# KiCad board led_mapper_850.kicad_pcb (continued)
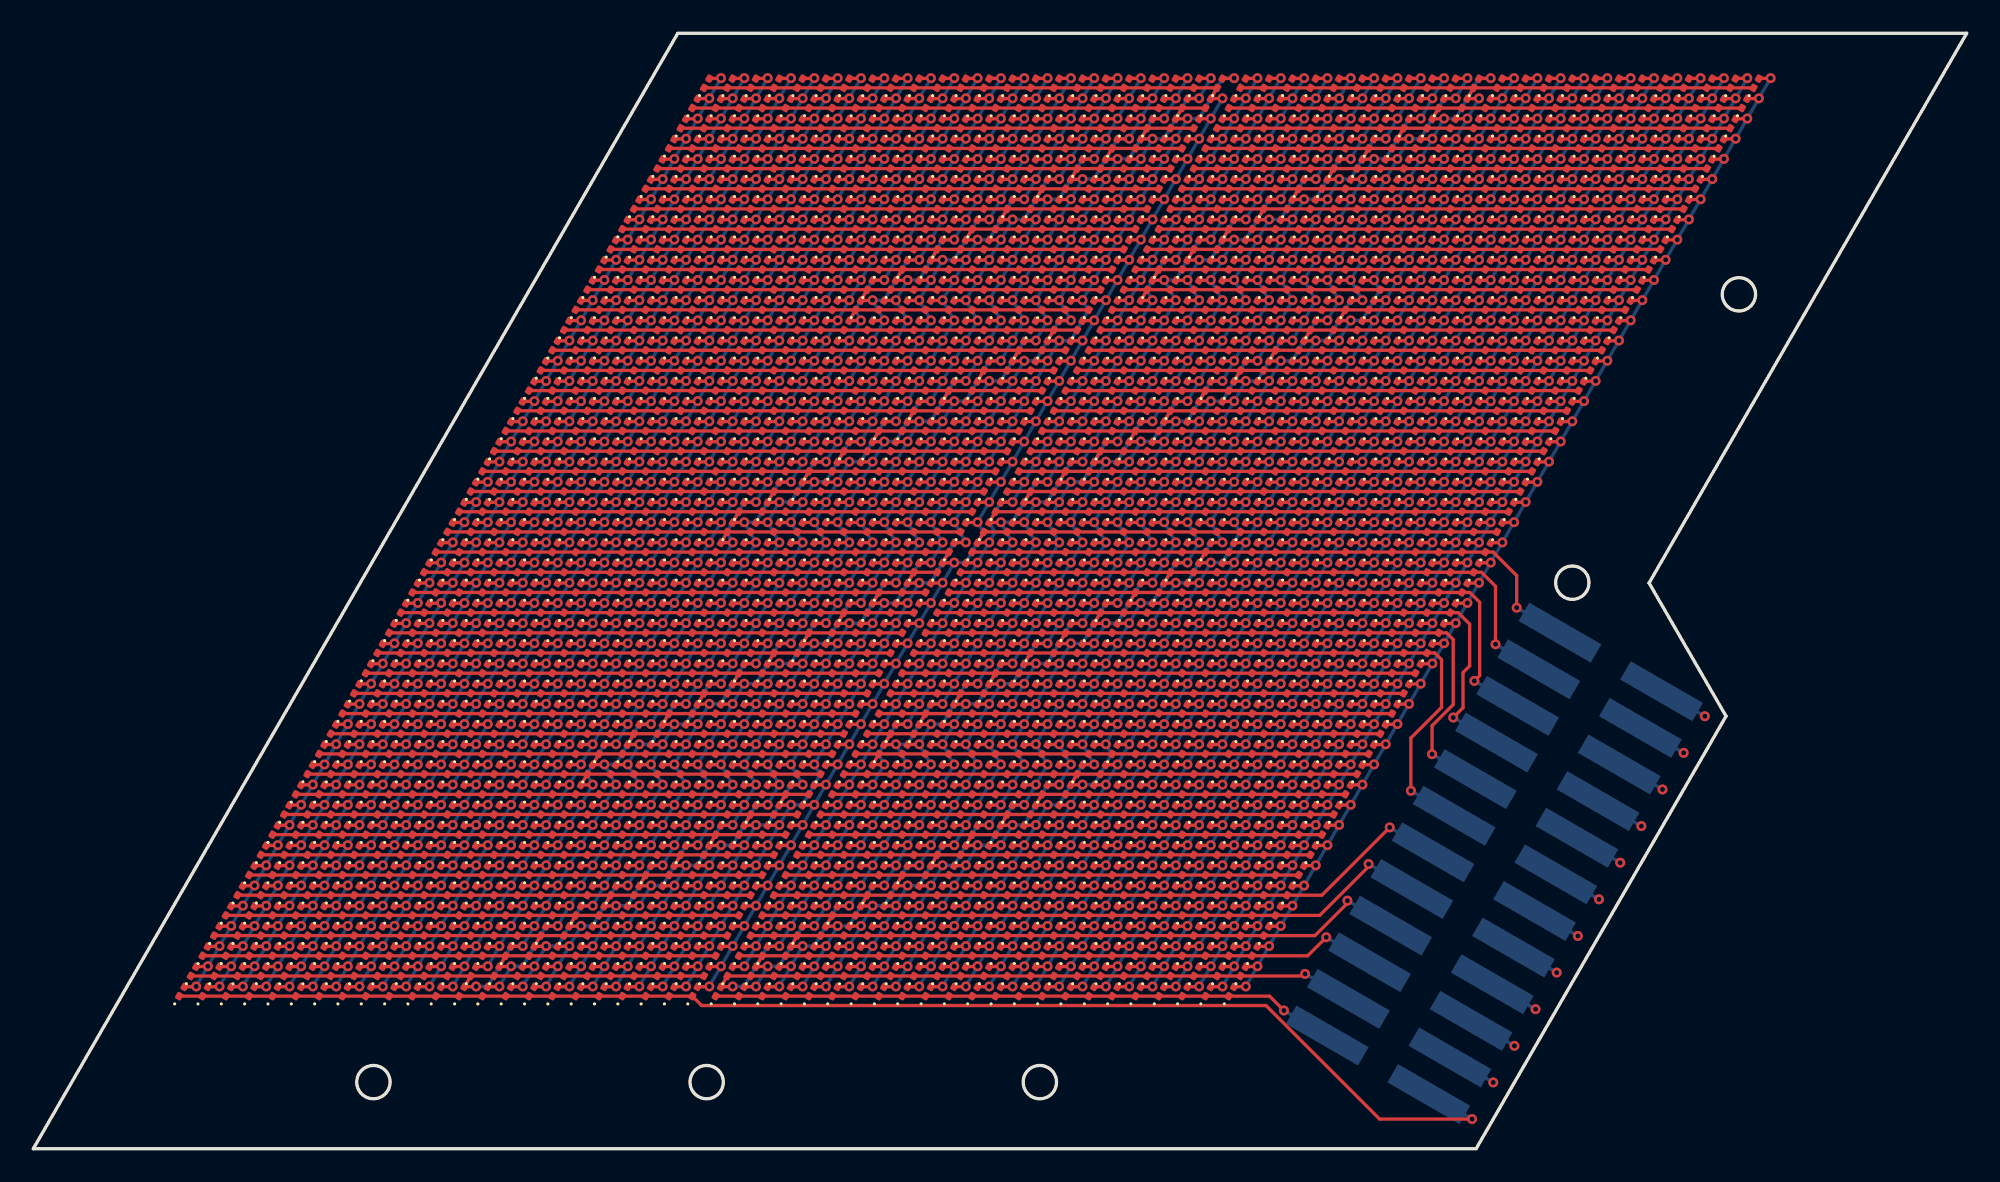
[diagram p0: board, top side]
## Routing (per net, layer and track width the routed paths; a pad name or vN(x,y) marks a point on that pad's centre or on a via; arc(x,y) is an arc through that point) (continued)
/P12: length 353.7
  Top w0.2: D1760.2 v1(27.28,13.38) ; D1622.2 v1(25.18,9.75) ; D104.2 v1(55.28,61.88) ; D426.2 v1(50.38,53.39) ; D886.2 v1(46.18,46.12) ; v1(86.78,63.09) D80.2 D34.1 ; D634.2 v1(73.48,40.06) ; D1922.2 v1(60.88,18.23) ; v1(70.68,35.21) D1138.2 D1092.1 ; D1852.2 v1(28.68,15.81) ; D702.2 v1(43.38,41.27) ; D150.2 v1(54.58,60.67) ; D264.2 v1(83.98,58.24) ; D2014.2 v1(62.28,20.66) ; D2036.2 v1(31.48,20.66) ; D772.2 v1(75.58,43.69) ; D680.2 v1(74.18,41.27) ; v1(79.08,49.76) D1002.2 D1048.1 ; D1668.2 v1(25.88,10.96) ; D196.2 v1(53.88,59.46) ; D910.2 v1(77.68,47.33) ; D218.2 v1(84.68,59.46) ; D1830.2 v1(59.48,15.81) ; D1646.2 v1(56.68,10.96) ; D1116.2 v1(39.88,35.21) ; D380.2 v1(51.08,54.61) ; D1036.1 D1058.1 ; D1322.2 v1(67.88,30.36) ; D288.2 v1(52.48,57.03) ; D748.2 v1(44.08,42.48) ; D1208.2 v1(38.48,32.78) ; D1898.2 v1(29.38,17.02) ; D588.2 v1(72.78,38.84) ; D542.2 v1(72.08,37.63) ; D1484.2 v1(34.28,25.51) ; D1460.2 v1(65.78,26.72) ; D794.2 v1(44.78,43.69) ; D24.1 D46.1 ; D726.2 v1(74.88,42.48) ; D518.2 v1(48.98,50.97) ; D448.2 v1(81.18,53.39) ; D864.2 v1(76.98,46.12) ; D1300.2 v1(37.08,30.36) ; v1(62.98,21.87) D2060.2 D2106.1 ; D1600.2 v1(55.98,9.75) ; D1230.2 v1(69.28,32.78) ; D2094.1 D2116.1 ; D1944.2 v1(30.08,18.23) ; D1506.2 v1(65.08,25.51) ; D126.2 v1(86.08,61.88) ; D12.2 v1(56.68,64.31) ; D1392.2 v1(35.68,27.93) ; D334.2 v1(51.78,55.82) ; D1368.2 v1(67.18,29.15) ; D1806.2 v1(27.98,14.6) ; D1346.2 v1(36.38,29.15) ; D932.2 v1(46.88,47.33) ; D818.2 v1(76.28,44.91) ; D610.2 v1(41.98,38.84) ; D1552.2 v1(64.38,24.3) ; v1(89.04,32.5) 89.04,34.43 87.62,35.84 D1104.1 D1082.1 ; D656.2 v1(42.68,40.06) ; D1414.2 v1(66.48,27.93) ; D494.2 v1(80.48,52.18) ; D58.2 v1(55.98,63.09) ; D402.2 v1(81.88,54.61) ; D956.2 v1(78.38,48.54) ; D1784.2 v1(58.78,14.6) ; D1990.2 v1(30.78,19.45) ; D310.2 v1(83.28,57.03) ; D1714.2 v1(26.58,12.17) ; D1162.2 v1(39.18,33.99) ; D1692.2 v1(57.38,12.17) ; D1876.2 v1(60.18,17.02) ; D172.2 v1(85.38,60.67) ; D1070.2 v1(40.58,36.42) ; D472.2 v1(49.68,52.18) ; D1576.2 v1(32.88,23.08) ; D1276.2 v1(68.58,31.57) ; D978.2 v1(47.58,48.54) ; D1530.2 v1(33.58,24.3) ; D1738.2 v1(58.08,13.38) ; D840.2 v1(45.48,44.91) ; D242.2 v1(53.18,58.24) ; D564.2 v1(41.28,37.63) ; D1968.2 v1(61.58,19.45) ; D1254.2 v1(37.78,31.57) ; D1184.2 v1(69.98,33.99) ; D1024.2 v1(48.28,49.76) ; D356.2 v1(82.58,55.82) ; D1438.2 v1(34.98,26.72) ; D2082.2 v1(32.18,21.87)
  In2.Cu w0.2: v1(78.38,48.54) 78.03,49.15 47.93,49.15 v1(47.58,48.54)
  Bottom w0.2: J1.12 v1(89.04,32.5) ; v1(55.98,9.75) v1(62.98,21.87) 63.68,21.87 64.73,23.69 v1(64.38,24.3) v1(70.68,35.21) 71.38,35.21 72.43,37.03 v1(72.08,37.63) v1(79.08,49.76) 79.78,49.76 80.83,51.58 v1(80.48,52.18) v1(86.78,63.09) ; v1(56.68,64.31) v1(25.18,9.75)
/P13: length 431
  Top w0.2: D839.2 v1(46.88,44.91) ; D81.2 v1(88.18,63.09) ; D1047.2 v1(81.18,50.97) ; D151.2 v1(55.98,60.67) ; D1093.2 v1(72.78,36.42) ; D793.2 v1(46.18,43.69) ; D817.2 v1(77.68,44.91) ; D219.2 v1(86.08,59.46) ; D1565.1 D1587.1 ; v1(86.36,1.78) 80.81,1.78 73.99,8.6 40.12,8.6 D1611.1 D1633.1 ; D507.1 D529.1 ; D1323.2 v1(69.28,30.36) ; D1277.2 v1(69.98,31.57) ; D679.2 v1(75.58,41.27) ; D1599.2 v1(57.38,9.75) ; D771.2 v1(76.98,43.69) ; D449.2 v1(82.58,53.39) ; D1209.2 v1(39.88,32.78) ; D1255.2 v1(39.18,31.57) ; D13.2 v1(58.08,64.31) ; D1231.2 v1(70.68,32.78) ; D289.2 v1(53.88,57.03) ; D427.2 v1(51.78,53.39) ; D35.2 v1(88.88,64.31) ; D1415.2 v1(67.88,27.93) ; D1805.2 v1(29.38,14.6) ; D473.2 v1(51.08,52.18) ; v1(41.98,36.42) D1071.2 D563.1 ; D105.2 v1(56.68,61.88) ; D495.2 v1(81.88,52.18) ; D127.2 v1(87.48,61.88) ; D519.1 D1023.2 v1(49.68,49.76) ; D1369.2 v1(68.58,29.15) ; D885.2 v1(47.58,46.12) ; D1185.2 v1(71.38,33.99) ; D955.2 v1(79.78,48.54) ; D725.2 v1(76.28,42.48) ; D2035.2 v1(32.88,20.66) ; D1001.2 v1(80.48,49.76) ; D2105.2 v1(65.08,23.08) ; D2059.2 v1(64.38,21.87) ; v1(33.58,21.87) D2081.2 D1577.1 ; D1667.2 v1(27.28,10.96) ; D311.2 v1(84.68,57.03) ; D1943.2 v1(31.48,18.23) ; D265.2 v1(85.38,58.24) ; D1531.2 v1(34.98,24.3) ; D655.2 v1(44.08,40.06) ; D1645.2 v1(58.08,10.96) ; D1301.2 v1(38.48,30.36) ; D357.2 v1(83.98,55.82) ; D1461.2 v1(67.18,26.72) ; D1139.2 v1(72.08,35.21) ; D541.2 v1(73.48,37.63) ; D609.2 v1(43.38,38.84) ; D2013.2 v1(63.68,20.66) ; D335.2 v1(53.18,55.82) ; D553.1 D575.1 ; D1553.2 v1(65.78,24.3) ; D1967.2 v1(62.98,19.45) ; D701.2 v1(44.78,41.27) ; D1829.2 v1(60.88,15.81) ; D587.2 v1(74.18,38.84) ; D1691.2 v1(58.78,12.17) ; D1851.2 v1(30.08,15.81) ; D1875.2 v1(61.58,17.02) ; D1783.2 v1(60.18,14.6) ; D1989.2 v1(32.18,19.45) ; D59.2 v1(57.38,63.09) ; D1921.2 v1(62.28,18.23) ; D173.2 v1(86.78,60.67) ; D1897.2 v1(30.78,17.02) ; D909.2 v1(79.08,47.33) ; D381.2 v1(52.48,54.61) ; D633.2 v1(74.88,40.06) ; D1759.2 v1(28.68,13.38) ; D1163.2 v1(40.58,33.99) ; D1737.2 v1(59.48,13.38) ; D403.2 v1(83.28,54.61) ; D1713.2 v1(27.98,12.17) ; D243.2 v1(54.58,58.24) ; D1347.2 v1(37.78,29.15) ; D977.2 v1(48.98,48.54) ; D1507.2 v1(66.48,25.51) ; D863.2 v1(78.38,46.12) ; D1393.2 v1(37.08,27.93) ; D197.2 v1(55.28,59.46) ; D1117.2 v1(41.28,35.21) ; D747.2 v1(45.48,42.48) ; D1439.2 v1(36.38,26.72) ; D1485.2 v1(35.68,25.51) ; D931.2 v1(48.28,47.33)
  In2.Cu w0.2: v1(80.48,49.76) 80.13,50.36 50.03,50.36 v1(49.68,49.76) ; v1(65.78,24.3) 65.43,23.69 73.83,9.14 74.43,7.2 v1(86.36,1.78)
  Bottom w0.2: v1(88.88,64.31) v1(57.38,9.75) ; v1(27.28,10.96) v1(33.58,21.87) 33.23,22.48 34.28,24.3 v1(34.98,24.3) v1(41.98,36.42) 41.63,37.03 42.68,38.84 v1(43.38,38.84) v1(49.68,49.76) 49.33,50.36 50.38,52.18 v1(51.08,52.18) v1(58.08,64.31) ; J1.13 v1(86.36,1.78)
/P14: length 386.3
  Top w0.2: D1462.2 v1(68.58,26.72) ; D1667.1 D1621.2 v1(26.58,9.75) ; D1278.2 v1(71.38,31.57) ; D1712.2 v1(29.38,12.17) ; D266.2 v1(86.78,58.24) ; D450.2 v1(83.98,53.39) ; v1(42.68,37.63) D563.2 D609.1 ; D1370.2 v1(69.98,29.15) ; D1942.2 v1(32.88,18.23) ; D1416.2 v1(69.28,27.93) ; D1644.2 v1(59.48,10.96) ; D1000.2 v1(81.88,49.76) ; D60.2 v1(58.78,63.09) ; D1348.2 v1(39.18,29.15) ; D1966.2 v1(64.38,19.45) ; D1022.2 v1(51.08,49.76) ; D724.2 v1(77.68,42.48) ; D382.2 v1(53.88,54.61) ; D1186.2 v1(72.78,33.99) ; D1598.2 v1(58.78,9.75) ; D678.2 v1(76.98,41.27) ; D1232.2 v1(72.08,32.78) ; D1440.2 v1(37.78,26.72) ; D1210.2 v1(41.28,32.78) ; D1140.2 v1(73.48,35.21) ; D1554.2 v1(67.18,24.3) ; D792.2 v1(47.58,43.69) ; D336.2 v1(54.58,55.82) ; D1736.2 v1(60.88,13.38) ; D2034.2 v1(34.28,20.66) ; D106.2 v1(58.08,61.88) ; D496.2 v1(83.28,52.18) ; D461.1 D483.1 ; D128.2 v1(88.88,61.88) ; D82.2 v1(89.58,63.09) ; D1118.2 v1(42.68,35.21) ; D599.1 D621.1 ; D838.2 v1(48.28,44.91) ; D473.1 D519.2 v1(50.38,50.97) ; D152.2 v1(57.38,60.67) ; D700.2 v1(46.18,41.27) ; D1302.2 v1(39.88,30.36) ; D1046.2 v1(82.58,50.97) ; D1394.2 v1(38.48,27.93) ; D36.2 v1(90.28,64.31) ; D632.2 v1(76.28,40.06) ; D862.2 v1(79.78,46.12) ; D2058.2 v1(65.78,21.87) ; D1486.2 v1(37.08,25.51) ; D1508.2 v1(67.88,25.51) ; D586.2 v1(75.58,38.84) ; D1531.1 D1577.2 v1(34.28,23.08) ; D2104.2 v1(66.48,23.08) ; D290.2 v1(55.28,57.03) ; D244.2 v1(55.98,58.24) ; D1804.2 v1(30.78,14.6) ; D1850.2 v1(31.48,15.81) ; D1874.2 v1(62.98,17.02) ; D1519.1 D1541.1 ; D1782.2 v1(61.58,14.6) ; D1896.2 v1(32.18,17.02) ; D1094.2 v1(74.18,36.42) ; D428.2 v1(53.18,53.39) ; D540.2 v1(74.88,37.63) ; D1072.2 v1(43.38,36.42) ; D220.2 v1(87.48,59.46) ; D174.2 v1(88.18,60.67) ; D198.2 v1(56.68,59.46) ; D358.2 v1(85.38,55.82) ; D908.2 v1(80.48,47.33) ; D1828.2 v1(62.28,15.81) ; D2080.2 v1(34.98,21.87) ; D930.2 v1(49.68,47.33) ; D884.2 v1(48.98,46.12) ; D976.2 v1(50.38,48.54) ; D1920.2 v1(63.68,18.23) ; D1988.2 v1(33.58,19.45) ; D2012.2 v1(65.08,20.66) ; D1758.2 v1(30.08,13.38) ; D312.2 v1(86.08,57.03) ; D746.2 v1(46.88,42.48) ; D1324.2 v1(70.68,30.36) ; D1164.2 v1(41.98,33.99) ; D14.2 v1(59.48,64.31) ; D770.2 v1(78.38,43.69) ; D1657.1 D1679.1 ; D1690.2 v1(60.18,12.17) ; D654.2 v1(45.48,40.06) ; D404.2 v1(84.68,54.61) ; D816.2 v1(79.08,44.91) ; D954.2 v1(81.18,48.54) ; D1256.2 v1(40.58,31.57)
  In2.Cu w0.2: v1(87.63,3.98) 75.7,9.4 74.53,10.35 66.83,23.69 v1(67.18,24.3) ; v1(82.58,50.97) 82.23,51.58 50.73,51.58 v1(50.38,50.97)
  Bottom w0.2: v1(59.48,64.31) v1(53.18,53.39) 52.48,53.39 51.08,50.97 v1(50.38,50.97) v1(51.08,49.76) v1(45.48,40.06) 44.78,40.06 43.38,37.63 v1(42.68,37.63) v1(43.38,36.42) v1(37.08,25.51) 36.38,25.51 34.98,23.08 v1(34.28,23.08) v1(34.98,21.87) v1(29.38,12.17) 28.68,12.17 27.28,9.75 v1(26.58,9.75) ; v1(90.28,64.31) v1(58.78,9.75) ; J1.14 v1(87.63,3.98)
/P15: length 385.1
  Top w0.2: D1620.2 v1(27.98,9.75) ; D359.2 v1(86.78,55.82) ; D1417.2 v1(70.68,27.93) ; D631.2 v1(77.68,40.06) ; D907.2 v1(81.88,47.33) ; D313.2 v1(87.48,57.03) ; D1165.2 v1(43.38,33.99) ; D1597.2 v1(60.18,9.75) ; D1941.2 v1(34.28,18.23) ; D1473.1 D1495.1 ; D497.2 v1(84.68,52.18) ; D645.1 D667.1 ; D791.2 v1(48.98,43.69) ; D929.2 v1(51.08,47.33) ; D245.2 v1(57.38,58.24) ; D107.2 v1(59.48,61.88) ; D1965.2 v1(65.78,19.45) ; D1119.2 v1(44.08,35.21) ; D861.2 v1(81.18,46.12) ; D699.2 v1(47.58,41.27) ; D999.2 v1(83.28,49.76) ; D1555.2 v1(68.58,24.3) ; D1095.2 v1(75.58,36.42) ; D1325.2 v1(72.08,30.36) ; D745.2 v1(48.28,42.48) ; D837.2 v1(49.68,44.91) ; D1257.2 v1(41.98,31.57) ; D1703.1 D1725.1 ; D2011.2 v1(66.48,20.66) ; D1371.2 v1(71.38,29.15) ; D654.1 D608.2 v1(44.78,38.84) ; D1279.2 v1(72.78,31.57) ; D1919.2 v1(65.08,18.23) ; D1757.2 v1(31.48,13.38) ; D1211.2 v1(42.68,32.78) ; v1(36.38,24.3) D1532.2 D1486.1 ; D1643.2 v1(60.88,10.96) ; D221.2 v1(88.88,59.46) ; D562.2 v1(44.08,37.63) ; D1141.2 v1(74.88,35.21) ; D428.1 D474.2 v1(52.48,52.18) ; D199.2 v1(58.08,59.46) ; D723.2 v1(79.08,42.48) ; D953.2 v1(82.58,48.54) ; D2057.2 v1(67.18,21.87) ; D1045.2 v1(83.98,50.97) ; D1073.2 v1(44.78,36.42) ; D337.2 v1(55.98,55.82) ; D1349.2 v1(40.58,29.15) ; D2079.2 v1(36.38,21.87) ; D1021.2 v1(52.48,49.76) ; D1689.2 v1(61.58,12.17) ; D1441.2 v1(39.18,26.72) ; D585.2 v1(76.98,38.84) ; D1849.2 v1(32.88,15.81) ; D1827.2 v1(63.68,15.81) ; D677.2 v1(78.38,41.27) ; D520.2 v1(51.78,50.97) ; D1463.2 v1(69.98,26.72) ; D1509.2 v1(69.28,25.51) ; D405.2 v1(86.08,54.61) ; D769.2 v1(79.78,43.69) ; D1873.2 v1(64.38,17.02) ; D61.2 v1(60.18,63.09) ; D83.2 v1(90.98,63.09) ; D1803.2 v1(32.18,14.6) ; D2033.2 v1(35.68,20.66) ; D1987.2 v1(34.98,19.45) ; D1233.2 v1(73.48,32.78) ; D1187.2 v1(74.18,33.99) ; D37.2 v1(91.68,64.31) ; D975.2 v1(51.78,48.54) ; D383.2 v1(55.28,54.61) ; D451.2 v1(85.38,53.39) ; D175.2 v1(89.58,60.67) ; v1(28.68,10.96) D1666.2 D1712.1 ; D539.2 v1(76.28,37.63) ; D2103.2 v1(67.88,23.08) ; D1895.2 v1(33.58,17.02) ; D1781.2 v1(62.98,14.6) ; D15.2 v1(60.88,64.31) ; D291.2 v1(56.68,57.03) ; D1303.2 v1(41.28,30.36) ; D1395.2 v1(39.88,27.93) ; D267.2 v1(88.18,58.24) ; D1735.2 v1(62.28,13.38) ; D883.2 v1(50.38,46.12) ; D415.1 D437.1 ; D1578.2 v1(35.68,23.08) ; D153.2 v1(58.78,60.67) ; D815.2 v1(80.48,44.91) ; D129.2 v1(90.28,61.88)
  In2.Cu w0.2: v1(88.9,6.18) 76.97,11.6 75.23,11.56 68.23,23.69 v1(68.58,24.3) ; v1(52.48,52.18) 52.83,52.79 84.33,52.79 v1(84.68,52.18)
  Bottom w0.2: v1(91.68,64.31) v1(60.18,9.75) ; J1.15 v1(88.9,6.18) ; v1(27.98,9.75) v1(28.68,10.96) 29.38,10.96 30.78,13.38 v1(31.48,13.38) v1(36.38,21.87) v1(35.68,23.08) v1(36.38,24.3) 37.08,24.3 38.48,26.72 v1(39.18,26.72) v1(44.78,36.42) v1(44.08,37.63) v1(44.78,38.84) 45.48,38.84 46.88,41.27 v1(47.58,41.27) v1(52.48,49.76) v1(51.78,50.97) v1(52.48,52.18) 53.18,52.18 54.58,54.61 v1(55.28,54.61) v1(60.88,64.31)
/P16: length 382.9
  Top w0.2: D1044.2 v1(85.38,50.97) ; D561.2 v1(45.48,37.63) ; v1(38.48,25.51) D1487.2 D1441.1 ; D1596.2 v1(61.58,9.75) ; D2010.2 v1(67.88,20.66) ; D2032.2 v1(37.08,20.66) ; v1(46.88,40.06) D653.2 D699.1 ; D630.2 v1(79.08,40.06) ; D1780.2 v1(64.38,14.6) ; D406.2 v1(87.48,54.61) ; D1848.2 v1(34.28,15.81) ; D1688.2 v1(62.98,12.17) ; D2056.2 v1(68.58,21.87) ; D200.2 v1(59.48,59.46) ; D1418.2 v1(72.08,27.93) ; D1757.1 D1711.2 v1(30.78,12.17) ; D1802.2 v1(33.58,14.6) ; D882.2 v1(51.78,46.12) ; D974.2 v1(53.18,48.54) ; D1212.2 v1(44.08,32.78) ; D1665.2 v1(30.08,10.96) ; D1166.2 v1(44.78,33.99) ; D1872.2 v1(65.78,17.02) ; D452.2 v1(86.78,53.39) ; D292.2 v1(58.08,57.03) ; D2102.2 v1(69.28,23.08) ; D338.2 v1(57.38,55.82) ; D176.2 v1(90.98,60.67) ; v1(54.58,53.39) D429.2 D383.1 ; D1396.2 v1(41.28,27.93) ; D836.2 v1(51.08,44.91) ; D1304.2 v1(42.68,30.36) ; D1188.2 v1(75.58,33.99) ; D722.2 v1(80.48,42.48) ; D768.2 v1(81.18,43.69) ; D498.2 v1(86.08,52.18) ; D1619.2 v1(29.38,9.75) ; D1258.2 v1(43.38,31.57) ; D1280.2 v1(74.18,31.57) ; D860.2 v1(82.58,46.12) ; D1142.2 v1(76.28,35.21) ; D1894.2 v1(34.98,17.02) ; D952.2 v1(83.98,48.54) ; D1940.2 v1(35.68,18.23) ; D1372.2 v1(72.78,29.15) ; D360.2 v1(88.18,55.82) ; D475.2 v1(53.88,52.18) ; D1642.2 v1(62.28,10.96) ; D790.2 v1(50.38,43.69) ; D1427.1 D1449.1 ; D108.2 v1(60.88,61.88) ; D1350.2 v1(41.98,29.15) ; D222.2 v1(90.28,59.46) ; D814.2 v1(81.88,44.91) ; D1826.2 v1(65.08,15.81) ; D1326.2 v1(73.48,30.36) ; D246.2 v1(58.78,58.24) ; D998.2 v1(84.68,49.76) ; D130.2 v1(91.68,61.88) ; D1556.2 v1(69.98,24.3) ; D1579.2 v1(37.08,23.08) ; D84.2 v1(92.38,63.09) ; D538.2 v1(77.68,37.63) ; D1734.2 v1(63.68,13.38) ; D1074.2 v1(46.18,36.42) ; D369.1 D391.1 ; D1120.2 v1(45.48,35.21) ; D584.2 v1(78.38,38.84) ; D691.1 D713.1 ; D38.2 v1(93.08,64.31) ; D62.2 v1(61.58,63.09) ; D314.2 v1(88.88,57.03) ; D1533.2 v1(37.78,24.3) ; D1020.2 v1(53.88,49.76) ; D676.2 v1(79.78,41.27) ; D16.2 v1(62.28,64.31) ; D521.2 v1(53.18,50.97) ; D1510.2 v1(70.68,25.51) ; D607.2 v1(46.18,38.84) ; D906.2 v1(83.28,47.33) ; D928.2 v1(52.48,47.33) ; D268.2 v1(89.58,58.24) ; D1964.2 v1(67.18,19.45) ; D1464.2 v1(71.38,26.72) ; D1234.2 v1(74.88,32.78) ; D1986.2 v1(36.38,19.45) ; D2078.2 v1(37.78,21.87) ; D1918.2 v1(66.48,18.23) ; D1096.2 v1(76.98,36.42) ; D154.2 v1(60.18,60.67) ; D1749.1 D1771.1 ; D744.2 v1(49.68,42.48)
  In2.Cu w0.2: v1(86.78,53.39) 86.43,54 54.93,54 v1(54.58,53.39) ; v1(69.98,24.3) 70.68,24.3 76.63,13.99 78.24,13.8 v1(90.17,8.38)
  Bottom w0.2: v1(93.08,64.31) v1(61.58,9.75) ; v1(29.38,9.75) v1(30.78,12.17) 31.48,12.17 32.88,14.6 v1(33.58,14.6) v1(37.78,21.87) v1(37.08,23.08) v1(38.48,25.51) 39.18,25.51 40.58,27.93 v1(41.28,27.93) v1(46.18,36.42) v1(45.48,37.63) v1(46.88,40.06) 47.58,40.06 48.98,42.48 v1(49.68,42.48) v1(53.88,49.76) v1(53.18,50.97) v1(54.58,53.39) 55.28,53.39 56.68,55.82 v1(57.38,55.82) v1(62.28,64.31) ; J1.16 v1(90.17,8.38)
/P17: length 381.4
  Top w0.2: D1802.1 D1756.2 v1(32.88,13.38) ; D1985.2 v1(37.78,19.45) ; D721.2 v1(81.88,42.48) ; D813.2 v1(83.28,44.91) ; D927.2 v1(53.88,47.33) ; D606.2 v1(47.58,38.84) ; D1534.2 v1(39.18,24.3) ; D1795.1 D1817.1 ; D1419.2 v1(73.48,27.93) ; D1351.2 v1(43.38,29.15) ; D2077.2 v1(39.18,21.87) ; D905.2 v1(84.68,47.33) ; D560.2 v1(46.88,37.63) ; D973.2 v1(54.58,48.54) ; D675.2 v1(81.18,41.27) ; D1327.2 v1(74.88,30.36) ; D201.2 v1(60.88,59.46) ; D1641.2 v1(63.68,10.96) ; D63.2 v1(62.98,63.09) ; D293.2 v1(59.48,57.03) ; D407.2 v1(88.88,54.61) ; D1871.2 v1(67.18,17.02) ; D1259.2 v1(44.78,31.57) ; D323.1 D345.1 ; D85.2 v1(93.78,63.09) ; D476.2 v1(55.28,52.18) ; D131.2 v1(93.08,61.88) ; D1779.2 v1(65.78,14.6) ; v1(56.68,54.61) D384.2 D338.1 ; D1595.2 v1(62.98,9.75) ; D2031.2 v1(38.48,20.66) ; D789.2 v1(51.78,43.69) ; D1687.2 v1(64.38,12.17) ; D1488.2 v1(39.88,25.51) ; D1213.2 v1(45.48,32.78) ; D1281.2 v1(75.58,31.57) ; D1664.2 v1(31.48,10.96) ; D177.2 v1(92.38,60.67) ; D2055.2 v1(69.98,21.87) ; D1121.2 v1(46.88,35.21) ; D1019.2 v1(55.28,49.76) ; D1396.1 D1442.2 v1(40.58,26.72) ; D1043.2 v1(86.78,50.97) ; D269.2 v1(90.98,58.24) ; D1847.2 v1(35.68,15.81) ; D737.1 D759.1 ; D1189.2 v1(76.98,33.99) ; D247.2 v1(60.18,58.24) ; D1167.2 v1(46.18,33.99) ; D1710.2 v1(32.18,12.17) ; D1963.2 v1(68.58,19.45) ; D155.2 v1(61.58,60.67) ; D223.2 v1(91.68,59.46) ; D1917.2 v1(67.88,18.23) ; D1511.2 v1(72.08,25.51) ; D1097.2 v1(78.38,36.42) ; D1580.2 v1(38.48,23.08) ; D537.2 v1(79.08,37.63) ; D1618.2 v1(30.78,9.75) ; D951.2 v1(85.38,48.54) ; D1893.2 v1(36.38,17.02) ; D2009.2 v1(69.28,20.66) ; D499.2 v1(87.48,52.18) ; D1465.2 v1(72.78,26.72) ; D315.2 v1(90.28,57.03) ; D629.2 v1(80.48,40.06) ; D453.2 v1(88.18,53.39) ; D430.2 v1(55.98,53.39) ; D522.2 v1(54.58,50.97) ; D1143.2 v1(77.68,35.21) ; D1939.2 v1(37.08,18.23) ; D1235.2 v1(76.28,32.78) ; D1557.2 v1(71.38,24.3) ; D109.2 v1(62.28,61.88) ; D361.2 v1(89.58,55.82) ; v1(48.98,41.27) D698.2 D744.1 ; D1305.2 v1(44.08,30.36) ; D1733.2 v1(65.08,13.38) ; D39.2 v1(94.48,64.31) ; D1373.2 v1(74.18,29.15) ; D997.2 v1(86.08,49.76) ; D17.2 v1(63.68,64.31) ; D2101.2 v1(70.68,23.08) ; D1075.2 v1(47.58,36.42) ; D835.2 v1(52.48,44.91) ; D859.2 v1(83.98,46.12) ; D881.2 v1(53.18,46.12) ; D767.2 v1(82.58,43.69) ; D1381.1 D1403.1 ; D583.2 v1(79.78,38.84) ; D1825.2 v1(66.48,15.81) ; D652.2 v1(48.28,40.06)
  In2.Cu w0.2: v1(91.44,10.58) 79.51,16 78.03,16.41 72.78,25.51 v1(72.08,25.51) ; v1(56.68,54.61) 57.03,55.21 88.53,55.21 v1(88.88,54.61)
  Bottom w0.2: v1(63.68,64.31) v1(59.48,57.03) 58.78,57.03 57.38,54.61 v1(56.68,54.61) v1(54.58,50.97) v1(55.28,49.76) v1(51.78,43.69) 51.08,43.69 49.68,41.27 v1(48.98,41.27) v1(46.88,37.63) v1(47.58,36.42) v1(43.38,29.15) 42.68,29.15 41.28,26.72 v1(40.58,26.72) v1(38.48,23.08) v1(39.18,21.87) v1(35.68,15.81) 34.98,15.81 33.58,13.38 v1(32.88,13.38) v1(30.78,9.75) ; J1.17 v1(91.44,10.58) ; v1(94.48,64.31) v1(62.98,9.75)
/P18: length 380
  Top w0.2: D582.2 v1(81.18,38.84) ; D559.2 v1(48.28,37.63) ; D1709.2 v1(33.58,12.17) ; D277.1 D299.1 ; D1824.2 v1(67.88,15.81) ; D950.2 v1(86.78,48.54) ; D605.2 v1(48.98,38.84) ; D1236.2 v1(77.68,32.78) ; D1778.2 v1(67.18,14.6) ; D697.2 v1(50.38,41.27) ; D1260.2 v1(46.18,31.57) ; D523.2 v1(55.98,50.97) ; D1984.2 v1(39.18,19.45) ; D1489.2 v1(41.28,25.51) ; D1018.2 v1(56.68,49.76) ; D86.2 v1(95.18,63.09) ; D1351.1 D1397.2 v1(42.68,27.93) ; D1144.2 v1(79.08,35.21) ; D362.2 v1(90.98,55.82) ; D454.2 v1(89.58,53.39) ; D536.2 v1(80.48,37.63) ; D1938.2 v1(38.48,18.23) ; D1558.2 v1(72.78,24.3) ; v1(51.08,42.48) D743.2 D789.1 ; D783.1 D805.1 ; D1420.2 v1(74.88,27.93) ; D1076.2 v1(48.98,36.42) ; D812.2 v1(84.68,44.91) ; D431.2 v1(57.38,53.39) ; D674.2 v1(82.58,41.27) ; D500.2 v1(88.88,52.18) ; D316.2 v1(91.68,57.03) ; D996.2 v1(87.48,49.76) ; D408.2 v1(90.28,54.61) ; D1732.2 v1(66.48,13.38) ; D40.2 v1(95.88,64.31) ; D2076.2 v1(40.58,21.87) ; D1512.2 v1(73.48,25.51) ; D880.2 v1(54.58,46.12) ; D1847.1 D1801.2 v1(34.98,14.6) ; D766.2 v1(83.98,43.69) ; D224.2 v1(93.08,59.46) ; D1594.2 v1(64.38,9.75) ; D132.2 v1(94.48,61.88) ; D2054.2 v1(71.38,21.87) ; D1214.2 v1(46.88,32.78) ; D1374.2 v1(75.58,29.15) ; D1306.2 v1(45.48,30.36) ; D1916.2 v1(69.28,18.23) ; D156.2 v1(62.98,60.67) ; D270.2 v1(92.38,58.24) ; v1(58.78,55.82) D339.2 D293.1 ; D477.2 v1(56.68,52.18) ; D1122.2 v1(48.28,35.21) ; D1686.2 v1(65.78,12.17) ; D2008.2 v1(70.68,20.66) ; D1168.2 v1(47.58,33.99) ; D1640.2 v1(65.08,10.96) ; D1443.2 v1(41.98,26.72) ; D926.2 v1(55.28,47.33) ; D64.2 v1(64.38,63.09) ; D858.2 v1(85.38,46.12) ; D385.2 v1(58.08,54.61) ; D1962.2 v1(69.98,19.45) ; D1581.2 v1(39.88,23.08) ; D1892.2 v1(37.78,17.02) ; D1466.2 v1(74.18,26.72) ; D1663.2 v1(32.88,10.96) ; D1841.1 D1863.1 ; D18.2 v1(65.08,64.31) ; D202.2 v1(62.28,59.46) ; D904.2 v1(86.08,47.33) ; D1870.2 v1(68.58,17.02) ; D2100.2 v1(72.08,23.08) ; D110.2 v1(63.68,61.88) ; D1535.2 v1(40.58,24.3) ; D1282.2 v1(76.98,31.57) ; D651.2 v1(49.68,40.06) ; D972.2 v1(55.98,48.54) ; D834.2 v1(53.88,44.91) ; D1335.1 D1357.1 ; D1042.2 v1(88.18,50.97) ; D720.2 v1(83.28,42.48) ; D1098.2 v1(79.78,36.42) ; D248.2 v1(61.58,58.24) ; D178.2 v1(93.78,60.67) ; D628.2 v1(81.88,40.06) ; D1328.2 v1(76.28,30.36) ; D2030.2 v1(39.88,20.66) ; D1617.2 v1(32.18,9.75) ; D1190.2 v1(78.38,33.99) ; D1755.2 v1(34.28,13.38)
  In2.Cu w0.2: v1(92.71,12.78) 80.78,18.2 79.43,18.84 74.88,26.72 v1(74.18,26.72) ; v1(90.98,55.82) 90.63,56.42 59.13,56.42 v1(58.78,55.82)
  Bottom w0.2: J1.18 v1(92.71,12.78) ; v1(32.18,9.75) v1(34.98,14.6) 35.68,14.6 37.08,17.02 v1(37.78,17.02) v1(40.58,21.87) v1(39.88,23.08) v1(42.68,27.93) 43.38,27.93 44.78,30.36 v1(45.48,30.36) v1(48.98,36.42) v1(48.28,37.63) v1(51.08,42.48) 51.78,42.48 53.18,44.91 v1(53.88,44.91) v1(56.68,49.76) v1(55.98,50.97) v1(58.78,55.82) 59.48,55.82 60.88,58.24 v1(61.58,58.24) v1(65.08,64.31) ; v1(95.88,64.31) v1(64.38,9.75)
/P19: length 378.6
  Top w0.2: D604.2 v1(50.38,38.84) ; D1017.2 v1(58.08,49.76) ; D581.2 v1(82.58,38.84) ; D179.2 v1(95.18,60.67) ; D1329.2 v1(77.68,30.36) ; D409.2 v1(91.68,54.61) ; D1513.2 v1(74.88,25.51) ; D1639.2 v1(66.48,10.96) ; D111.2 v1(65.08,61.88) ; v1(44.78,29.15) D1352.2 D1306.1 ; D1593.2 v1(65.78,9.75) ; D1375.2 v1(76.98,29.15) ; v1(60.88,57.03) D294.2 D248.1 ; D995.2 v1(88.88,49.76) ; D2053.2 v1(72.78,21.87) ; D87.2 v1(96.58,63.09) ; D231.1 D253.1 ; D1261.2 v1(47.58,31.57) ; D1467.2 v1(75.58,26.72) ; D1662.2 v1(34.28,10.96) ; D1283.2 v1(78.38,31.57) ; D1536.2 v1(41.98,24.3) ; D1961.2 v1(71.38,19.45) ; D1077.2 v1(50.38,36.42) ; D1685.2 v1(67.18,12.17) ; D1937.2 v1(39.88,18.23) ; D971.2 v1(57.38,48.54) ; D386.2 v1(59.48,54.61) ; D1490.2 v1(42.68,25.51) ; D903.2 v1(87.48,47.33) ; D2029.2 v1(41.28,20.66) ; D1823.2 v1(69.28,15.81) ; D524.2 v1(57.38,50.97) ; D1191.2 v1(79.78,33.99) ; D271.2 v1(93.78,58.24) ; D363.2 v1(92.38,55.82) ; D157.2 v1(64.38,60.67) ; v1(53.18,43.69) D788.2 D834.1 ; D673.2 v1(83.98,41.27) ; D1754.2 v1(35.68,13.38) ; D949.2 v1(88.18,48.54) ; D65.2 v1(65.78,63.09) ; D1215.2 v1(48.28,32.78) ; D1398.2 v1(44.08,27.93) ; D765.2 v1(85.38,43.69) ; D811.2 v1(86.08,44.91) ; D1123.2 v1(49.68,35.21) ; D455.2 v1(90.98,53.39) ; D1915.2 v1(70.68,18.23) ; D1777.2 v1(68.58,14.6) ; D879.2 v1(55.98,46.12) ; D742.2 v1(52.48,42.48) ; D133.2 v1(95.88,61.88) ; D478.2 v1(58.08,52.18) ; D340.2 v1(60.18,55.82) ; D203.2 v1(63.68,59.46) ; D501.2 v1(90.28,52.18) ; D1559.2 v1(74.18,24.3) ; D696.2 v1(51.78,41.27) ; D1731.2 v1(67.88,13.38) ; D1616.2 v1(33.58,9.75) ; D1169.2 v1(48.98,33.99) ; D1289.1 D1311.1 ; D627.2 v1(83.28,40.06) ; D2007.2 v1(72.08,20.66) ; D925.2 v1(56.68,47.33) ; D719.2 v1(84.68,42.48) ; D650.2 v1(51.08,40.06) ; D1892.1 D1846.2 v1(37.08,15.81) ; D1708.2 v1(34.98,12.17) ; D1041.2 v1(89.58,50.97) ; D1099.2 v1(81.18,36.42) ; D558.2 v1(49.68,37.63) ; D1869.2 v1(69.98,17.02) ; D857.2 v1(86.78,46.12) ; D1421.2 v1(76.28,27.93) ; D1145.2 v1(80.48,35.21) ; D2075.2 v1(41.98,21.87) ; D19.2 v1(66.48,64.31) ; D1887.1 D1909.1 ; D1800.2 v1(36.38,14.6) ; D535.2 v1(81.88,37.63) ; D1444.2 v1(43.38,26.72) ; D41.2 v1(97.28,64.31) ; D432.2 v1(58.78,53.39) ; D1237.2 v1(79.08,32.78) ; D1582.2 v1(41.28,23.08) ; D225.2 v1(94.48,59.46) ; D829.1 D851.1 ; D317.2 v1(93.08,57.03) ; D1983.2 v1(40.58,19.45) ; D2099.2 v1(73.48,23.08)
  In2.Cu w0.2: v1(93.08,57.03) 92.73,57.64 61.23,57.64 v1(60.88,57.03) ; v1(93.98,14.98) 82.05,20.4 80.83,21.26 76.98,27.93 v1(76.28,27.93)
  Bottom w0.2: v1(97.28,64.31) v1(65.78,9.75) ; v1(33.58,9.75) v1(37.08,15.81) 37.78,15.81 39.18,18.23 v1(39.88,18.23) v1(41.98,21.87) v1(41.28,23.08) v1(44.78,29.15) 45.48,29.15 46.88,31.57 v1(47.58,31.57) v1(50.38,36.42) v1(49.68,37.63) v1(53.18,43.69) 53.88,43.69 55.28,46.12 v1(55.98,46.12) v1(58.08,49.76) v1(57.38,50.97) v1(60.88,57.03) 61.58,57.03 62.98,59.46 v1(63.68,59.46) v1(66.48,64.31) ; J1.19 v1(93.98,14.98)
/P20: length 377.2
  Top w0.2: D603.2 v1(51.78,38.84) ; D2074.2 v1(43.38,21.87) ; D66.2 v1(67.18,63.09) ; D410.2 v1(93.08,54.61) ; D1776.2 v1(69.98,14.6) ; D902.2 v1(88.88,47.33) ; D226.2 v1(95.88,59.46) ; D1261.1 D1307.2 v1(46.88,30.36) ; D534.2 v1(83.28,37.63) ; D1284.2 v1(79.78,31.57) ; D1730.2 v1(69.28,13.38) ; D433.2 v1(60.18,53.39) ; D1537.2 v1(43.38,24.3) ; D1937.1 D1891.2 v1(39.18,17.02) ; D185.1 D207.1 ; D2006.2 v1(73.48,20.66) ; D1615.2 v1(34.98,9.75) ; D994.2 v1(90.28,49.76) ; D318.2 v1(94.48,57.03) ; D1353.2 v1(46.18,29.15) ; D1468.2 v1(76.98,26.72) ; D158.2 v1(65.78,60.67) ; D1592.2 v1(67.18,9.75) ; D672.2 v1(85.38,41.27) ; D1330.2 v1(79.08,30.36) ; D42.2 v1(98.68,64.31) ; D649.2 v1(52.48,40.06) ; D1040.2 v1(90.98,50.97) ; D875.1 D897.1 ; D1868.2 v1(71.38,17.02) ; D718.2 v1(86.08,42.48) ; D525.2 v1(58.78,50.97) ; D2028.2 v1(42.68,20.66) ; D134.2 v1(97.28,61.88) ; D1376.2 v1(78.38,29.15) ; D502.2 v1(91.68,52.18) ; D1124.2 v1(51.08,35.21) ; D810.2 v1(87.48,44.91) ; D1707.2 v1(36.38,12.17) ; D1514.2 v1(76.28,25.51) ; D1753.2 v1(37.08,13.38) ; D295.2 v1(62.28,57.03) ; D1422.2 v1(77.68,27.93) ; D456.2 v1(92.38,53.39) ; D764.2 v1(86.78,43.69) ; D1982.2 v1(41.98,19.45) ; D88.2 v1(97.98,63.09) ; D948.2 v1(89.58,48.54) ; D272.2 v1(95.18,58.24) ; D741.2 v1(53.88,42.48) ; D787.2 v1(54.58,43.69) ; D1845.2 v1(38.48,15.81) ; D924.2 v1(58.08,47.33) ; D1016.2 v1(59.48,49.76) ; D1638.2 v1(67.88,10.96) ; D856.2 v1(88.18,46.12) ; D1933.1 D1955.1 ; D1146.2 v1(81.88,35.21) ; D203.1 D249.2 v1(62.98,58.24) ; D1100.2 v1(82.58,36.42) ; D1914.2 v1(72.08,18.23) ; D695.2 v1(53.18,41.27) ; v1(55.28,44.91) D833.2 D879.1 ; D1243.1 D1265.1 ; D341.2 v1(61.58,55.82) ; D1661.2 v1(35.68,10.96) ; D112.2 v1(66.48,61.88) ; D20.2 v1(67.88,64.31) ; D1238.2 v1(80.48,32.78) ; D180.2 v1(96.58,60.67) ; D1560.2 v1(75.58,24.3) ; D970.2 v1(58.78,48.54) ; D1799.2 v1(37.78,14.6) ; D1583.2 v1(42.68,23.08) ; D1491.2 v1(44.08,25.51) ; D1216.2 v1(49.68,32.78) ; D1399.2 v1(45.48,27.93) ; D2098.2 v1(74.88,23.08) ; D1192.2 v1(81.18,33.99) ; D1078.2 v1(51.78,36.42) ; D1822.2 v1(70.68,15.81) ; D1684.2 v1(68.58,12.17) ; D557.2 v1(51.08,37.63) ; D1170.2 v1(50.38,33.99) ; D626.2 v1(84.68,40.06) ; D1445.2 v1(44.78,26.72) ; D364.2 v1(93.78,55.82) ; D479.2 v1(59.48,52.18) ; D1960.2 v1(72.78,19.45) ; D387.2 v1(60.88,54.61) ; D2052.2 v1(74.18,21.87) ; D580.2 v1(83.98,38.84)
  In2.Cu w0.2: v1(95.18,58.24) 94.83,58.85 63.33,58.85 v1(62.98,58.24) ; v1(78.38,29.15) 79.08,29.15 82.23,23.69 83.32,22.6 v1(95.25,17.18)
  Bottom w0.2: J1.20 v1(95.25,17.18) ; v1(34.98,9.75) v1(39.18,17.02) 39.88,17.02 41.28,19.45 v1(41.98,19.45) v1(43.38,21.87) v1(42.68,23.08) v1(46.88,30.36) 47.58,30.36 48.98,32.78 v1(49.68,32.78) v1(51.78,36.42) v1(51.08,37.63) v1(55.28,44.91) 55.98,44.91 57.38,47.33 v1(58.08,47.33) v1(59.48,49.76) v1(58.78,50.97) v1(62.98,58.24) 63.68,58.24 65.08,60.67 v1(65.78,60.67) v1(67.88,64.31) ; v1(98.68,64.31) v1(67.18,9.75)
